# Altium PCB m-BLANC.PcbDoc (part 7 of 15) (continued)
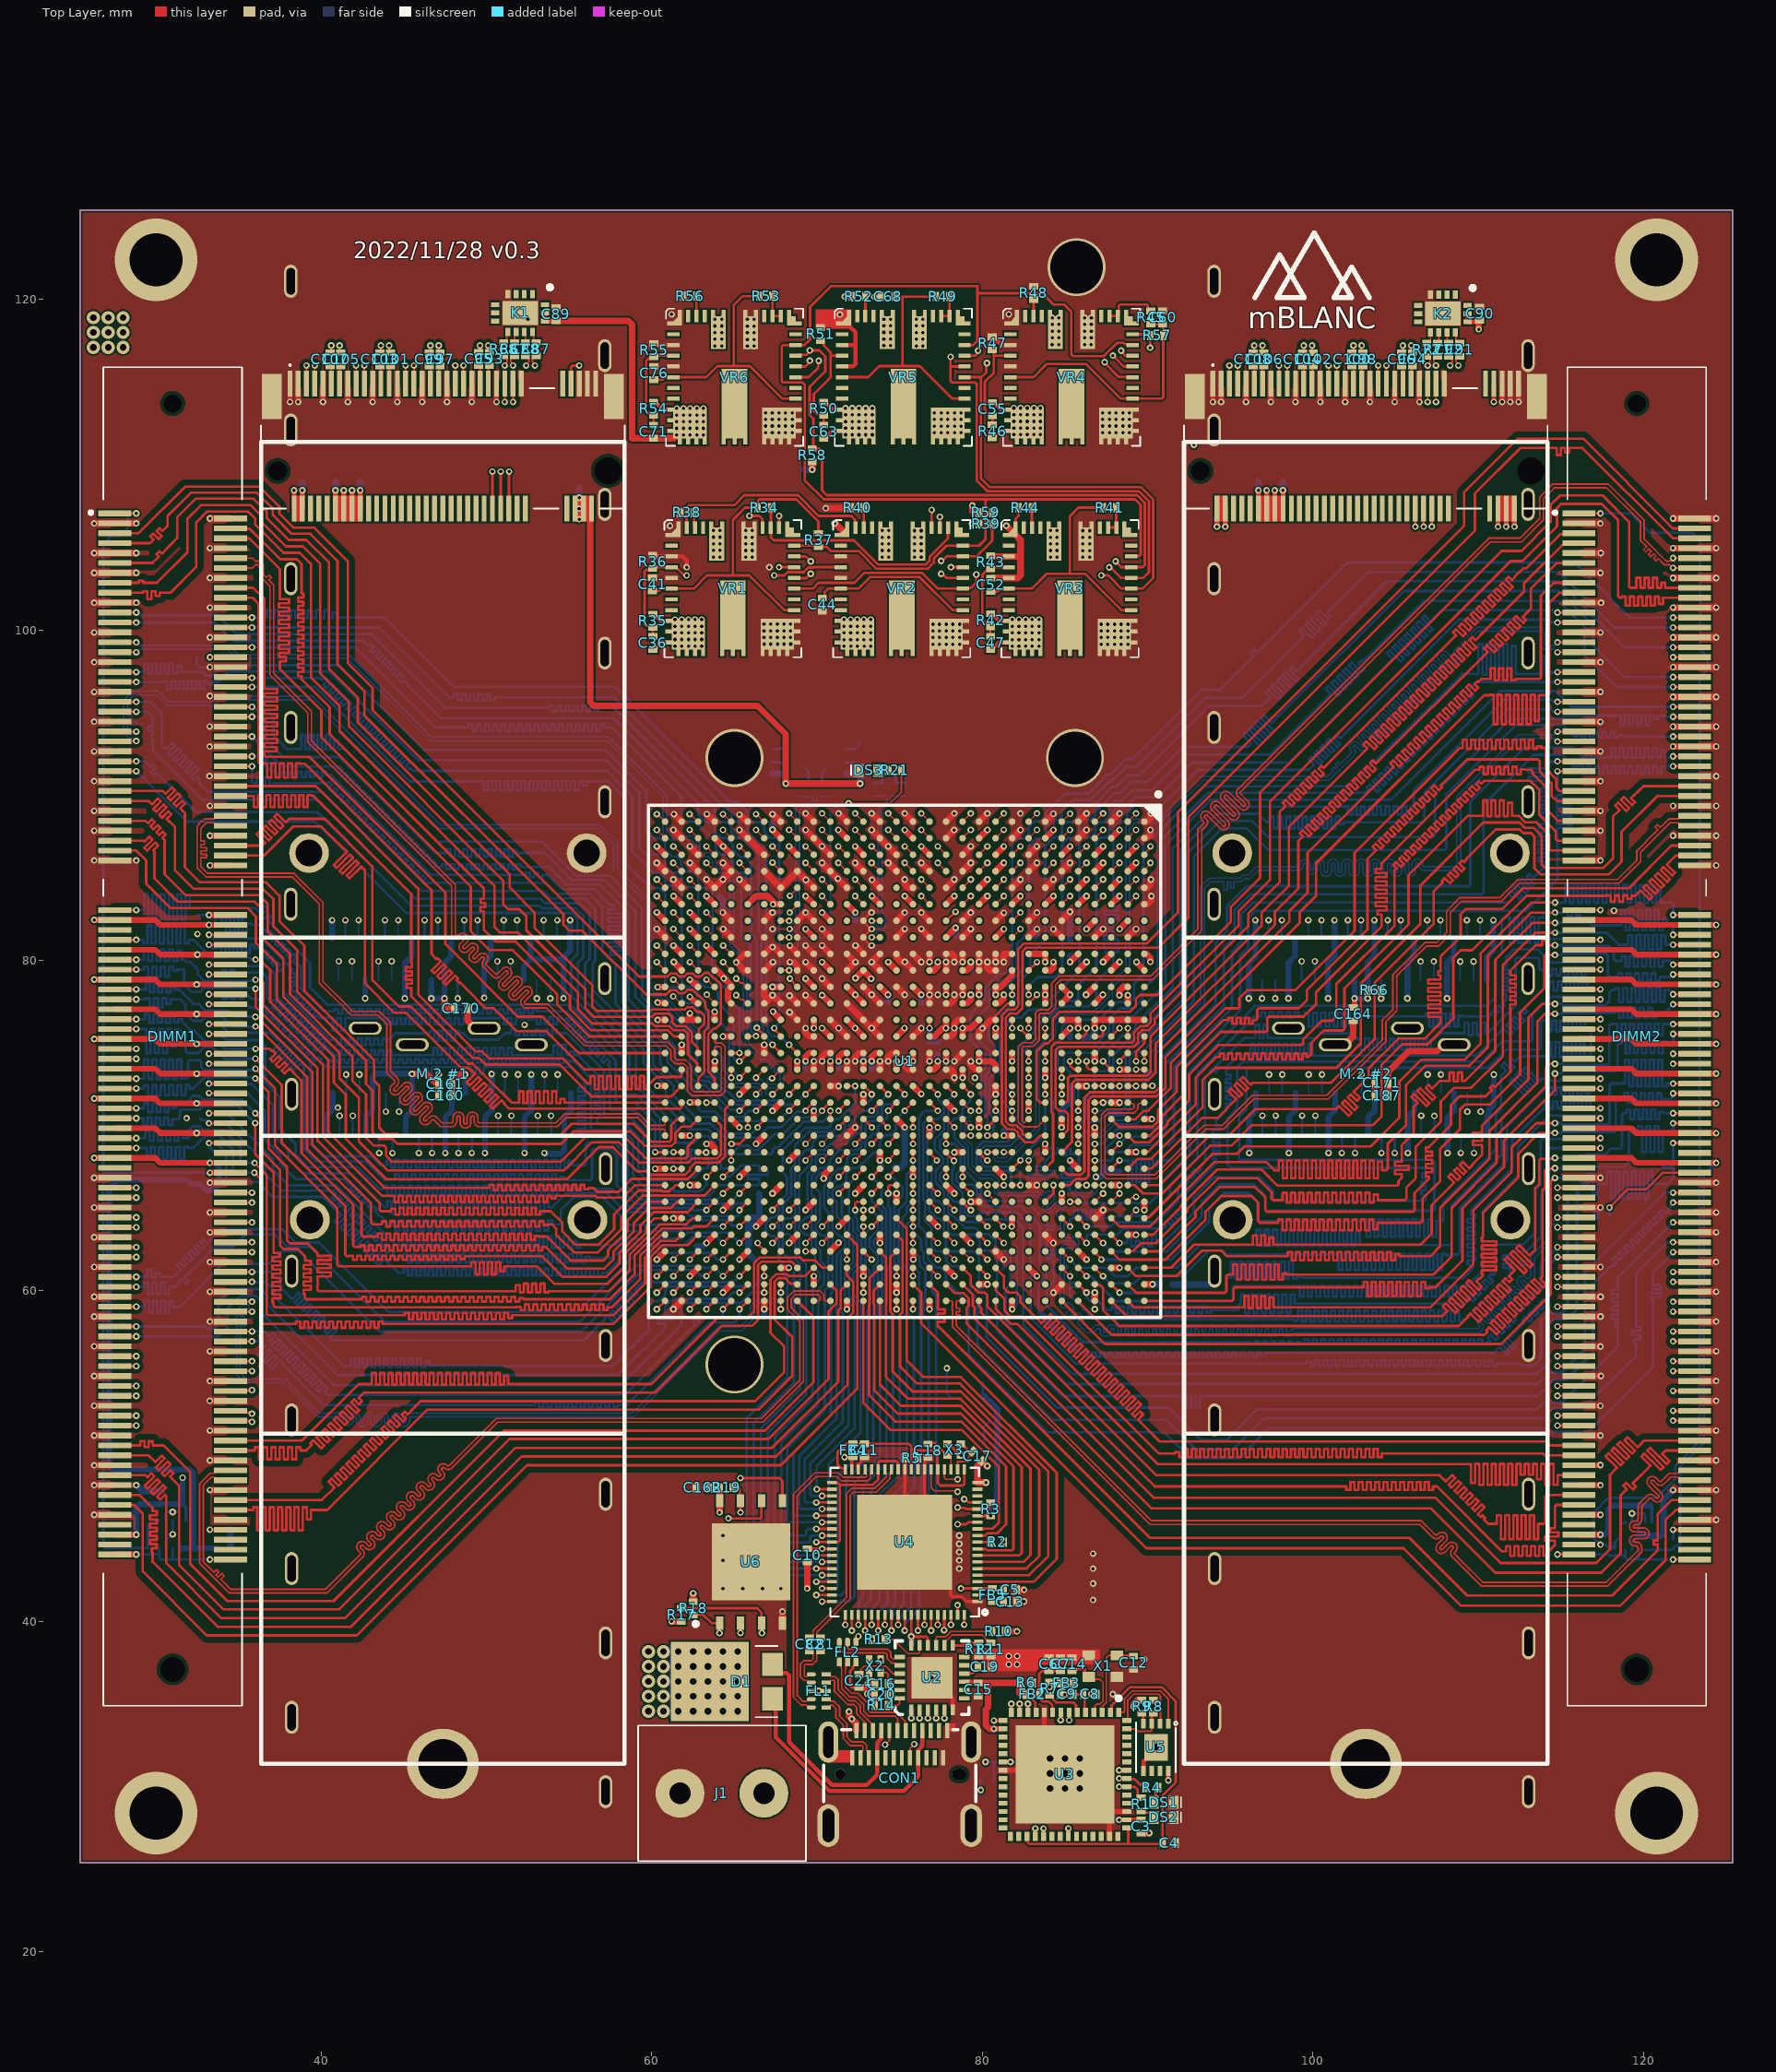
[diagram p0: Top Layer view]
## Nets (pads, with @x,y where several pads share a name; then routed paths per layer and width w, separated by ;. In a path a pad name is that pad's centre, name@x,y a point inside that pad or via, vN(x,y) a via of type N, cw(c..) or ccw(c..) an arc to the next point about the centre after c; other vN are vias at no path point) (continued)
  InLayer2 (Signal) w0.15: v1(80.3,63.9) 79.791,63.391 79.791,59.106 84.627,54.27 94.835,54.27 96.285,52.82 112.725,52.82 114.53,54.625 116.617,54.625 117.291,53.95 118.593,53.95 118.875,53.95 118.875,53.925 119.125,53.925 119.125,54.137 119.375,54.137 119.375,53.703 119.625,53.703 119.625,54.137 119.875,54.137 119.875,53.703 120.125,53.703 120.125,54.137 120.375,54.137 120.375,53.703 120.625,53.703 120.625,54.137 120.875,54.137 120.875,53.703 121.125,53.703 121.125,53.95 121.2,53.95 v1(121.8,53.95)
DRAM2_DM7: DIMM2.187 U1.K30 | length 63.5
  Top Layer w0.15: U1.K30@80.8,59.4 80.8,58.935 81.735,58 82.121,58 90.599,49.522 108.993,49.522 109.566,49.522 109.566,48.384 109.816,48.384 109.816,49.534 110.066,49.534 110.066,48.265 110.316,48.265 110.316,49.534 110.566,49.534 110.566,48.265 110.816,48.265 110.816,49.534 111.066,49.534 111.066,48.265 111.316,48.265 111.316,49.534 111.566,49.534 111.566,48.265 111.816,48.265 111.816,49.534 112.066,49.534 112.066,48.265 112.316,48.265 112.316,49.534 112.566,49.534 112.566,48.875 112.816,48.875 112.816,49.534 113.066,49.534 113.066,48.875 113.316,48.875 113.316,49.534 113.566,49.534 113.566,48.597 113.816,48.597 113.816,49.534 114.066,49.534 114.066,48.265 114.316,48.265 114.316,49.534 114.566,49.534 114.566,48.265 114.816,48.265 114.816,48.85 114.891,48.85 DIMM2.187@116.1,48.85
DRAM2_DQ0: DIMM2.5 U1.F20 | length 72.2
  Top Layer w0.15: U1.F20@84.8,69.4 84.83,69.4 85.175,69.745 85.175,70.725 85,70.9 84.634,70.9 84.425,71.109 84.425,74.555 84.645,74.775 89.174,74.775 89.425,75.026 89.425,75.555 89.645,75.775 90.059,75.775 90.425,76.141 90.425,76.425 96.1,82.1 96.1,82.838 97.984,84.721 97.984,88.984 98.3,89.3 98.353,89.353 98.17,89.536 98.347,89.713 98.724,89.336 98.901,89.512 98.524,89.89 98.7,90.066 99.078,89.689 99.254,89.866 98.877,90.243 99.054,90.42 99.431,90.043 99.608,90.219 99.231,90.597 99.407,90.773 99.785,90.396 99.961,90.573 99.584,90.95 99.761,91.127 100.138,90.75 100.315,90.927 99.938,91.304 100.115,91.481 100.492,91.103 100.669,91.28 100.346,91.602 100.523,91.779 100.651,91.651 101.101,92.101 108.617,99.617 108.67,99.67 108.48,99.86 108.656,100.037 109.086,99.608 109.263,99.784 108.833,100.214 109.01,100.391 109.439,99.961 109.616,100.138 109.187,100.567 109.363,100.744 109.793,100.315 109.97,100.491 109.54,100.921 109.717,101.098 110.146,100.668 110.323,100.845 109.894,101.274 110.071,101.451 110.5,101.022 110.677,101.199 110.247,101.628 110.424,101.805 110.854,101.375 111.03,101.552 110.601,101.982 110.778,102.158 111.207,101.729 111.384,101.906 110.954,102.335 111.131,102.512 111.561,102.082 111.737,102.259 111.308,102.689 111.485,102.865 111.914,102.436 112.091,102.613 111.662,103.042 111.838,103.219 112.047,103.011 112.223,103.187 112.205,103.205 112.523,103.523 112.73,103.73 112.9,103.73 114.964,105.793 116.043,105.793 DIMM2.5@116.1,105.85
DRAM2_DQ1: DIMM2.7 U1.F18 | length 75.1
  Top Layer w0.15: U1.F18@84.8,71.4 84.822,71.422 85.079,71.422 85.175,71.519 85.175,72.875 85.323,73.023 85.539,73.023 85.541,73.025 85.955,73.025 86.645,73.025 86.955,73.025 87.645,73.025 89.664,73.025 89.955,73.025 90.179,73.248 90.179,75.389 92.19,77.4 92.2,77.4 96.895,82.095 96.895,82.874 98.55,84.529 98.55,88.089 103.243,92.782 103.296,92.835 103.058,93.073 103.235,93.25 103.713,92.772 103.89,92.949 103.412,93.427 103.589,93.603 104.066,93.126 104.243,93.302 103.765,93.78 103.942,93.957 104.42,93.479 104.597,93.656 104.119,94.134 104.296,94.31 104.773,93.833 104.95,94.01 104.473,94.487 104.649,94.664 105.127,94.186 105.304,94.363 104.826,94.841 105.003,95.018 105.481,94.54 105.657,94.717 105.18,95.194 105.356,95.371 105.834,94.893 106.011,95.07 105.533,95.548 105.71,95.725 106.188,95.247 106.364,95.424 105.887,95.901 106.064,96.078 106.541,95.601 106.718,95.777 106.24,96.255 106.417,96.432 106.895,95.954 107.072,96.131 106.594,96.609 106.771,96.785 107.248,96.308 107.425,96.484 106.947,96.962 107.124,97.139 107.602,96.661 107.779,96.838 107.301,97.316 107.478,97.492 107.955,97.015 108.132,97.191 107.655,97.669 107.831,97.846 108.309,97.368 108.486,97.545 108.008,98.023 108.185,98.2 108.663,97.722 108.839,97.899 108.362,98.376 108.538,98.553 109.016,98.075 109.193,98.252 108.715,98.73 108.892,98.907 109.37,98.429 109.546,98.606 109.069,99.083 109.246,99.26 109.723,98.782 109.9,98.959 109.46,99.399 109.637,99.576 109.837,99.376 110.427,99.966 112.777,102.316 112.777,102.825 115.101,105.15 116,105.15 DIMM2.7@116.1,105.25
DRAM2_DQ2: DIMM2.15 U1.F22 | length 74.2
  Top Layer w0.15: U1.F22@84.8,67.4 85.175,67.025 85.955,67.025 86.175,67.245 86.175,67.641 86.175,68.159 86.175,68.641 86.175,69.159 86.175,69.555 86.175,69.745 86.175,70.055 86.175,70.245 86.175,70.555 86.175,70.745 86.175,71.055 86.175,71.245 86.175,71.555 86.175,71.699 86.5,72.025 86.645,72.025 86.955,72.025 89.645,72.025 90.432,72.025 90.805,72.398 90.805,74.594 98.577,82.366 98.577,83.004 99.682,84.108 99.682,86.515 104.836,91.668 104.889,91.721 104.679,91.93 104.856,92.107 105.231,91.732 105.408,91.909 105.033,92.284 105.21,92.461 105.584,92.086 105.761,92.263 105.386,92.638 105.563,92.814 105.938,92.44 106.115,92.616 105.74,92.991 105.917,93.168 106.291,92.793 106.468,92.97 106.093,93.345 106.27,93.521 106.645,93.147 106.822,93.323 106.447,93.698 106.624,93.875 106.998,93.5 107.175,93.677 106.801,94.052 106.977,94.228 107.352,93.854 107.529,94.031 107.154,94.405 107.331,94.582 107.706,94.207 107.882,94.384 107.508,94.759 107.684,94.936 108.059,94.561 108.236,94.738 107.861,95.112 108.038,95.289 108.413,94.914 108.589,95.091 108.215,95.466 108.392,95.643 108.766,95.268 108.943,95.445 108.568,95.819 108.745,95.996 109.12,95.622 109.297,95.798 108.922,96.173 109.099,96.35 109.473,95.975 109.65,96.152 109.275,96.527 109.452,96.703 109.827,96.329 110.004,96.505 109.787,96.722 109.964,96.899 110.015,96.848 110.196,97.028 110.509,97.028 110.684,97.028 110.759,97.028 110.759,97.675 111.009,97.675 111.009,96.958 111.259,96.958 111.259,97.675 111.509,97.675 111.509,96.958 111.759,96.958 111.759,97.675 112.009,97.675 112.009,96.958 112.259,96.958 112.259,97.035 112.509,97.035 112.509,97.028 112.813,97.028 113.708,97.028 113.796,97.116 113.796,102.075 114.571,102.85 DIMM2.15@116.1,102.85
DRAM2_DQ3: DIMM2.17 U1.F23 | length 75.6
  Top Layer w0.15: U1.F23@84.8,66.4 85.27,66.4 85.645,66.775 86.254,66.775 86.425,66.946 86.425,68.055 86.425,68.745 86.425,69.055 86.425,69.729 86.425,70.141 86.425,70.745 86.425,71.055 86.425,71.555 86.645,71.775 90.535,71.775 91.072,72.312 91.072,74.15 99.2,82.278 99.2,82.918 100.194,83.912 100.194,85.877 110.362,96.045 110.603,96.045 110.678,96.045 110.678,96.072 110.928,96.072 110.928,94.292 111.178,94.292 111.178,96.072 111.428,96.072 111.428,94.292 111.678,94.292 111.678,96.072 111.928,96.072 111.928,94.292 112.178,94.292 112.178,96.072 112.428,96.072 112.428,94.292 112.678,94.292 112.678,96.072 112.928,96.072 112.928,94.292 113.178,94.292 113.178,96.072 113.428,96.072 113.428,94.489 113.678,94.489 113.678,96.045 114.08,96.045 114.219,96.045 114.307,96.133 114.307,101.634 114.923,102.25 DIMM2.17@116.1,102.25
DRAM2_DQ4: DIMM2.4 U1.G20 | length 75.3
  Top Layer w0.15: U1.G20@83.8,69.4 83.495,69.399 83.096,69 82.571,69 82.175,69.396 82.175,69.555 81.955,69.775 81.536,69.775 81.175,70.136 81.175,70.641 81.175,76.627 81.175,76.659 81.541,77.025 81.955,77.025 82.175,77.245 82.175,77.555 82.175,78.659 82.175,79.555 82.175,80.687 82.513,81.025 89.955,81.025 91.835,82.905 91.835,88.986 109.145,106.296 109.145,108.319 112.4,111.574 116.362,111.574 121.786,106.15 DIMM2.4@123.1,106.15
DRAM2_DQ5: DIMM2.6 U1.H20 | length 74.6
  Top Layer w0.15: U1.H20@82.8,69.4 82.774,69.426 82.524,69.426 82.425,69.525 82.425,69.659 82.059,70.025 81.645,70.025 81.425,70.245 81.425,70.745 81.425,76.555 81.645,76.775 82.066,76.775 82.425,77.134 82.425,77.659 82.425,78.555 82.425,79.659 82.425,80.555 82.645,80.775 90.656,80.775 92.464,82.583 92.464,88.661 109.807,106.004 109.807,108.261 112.554,111.007 114.43,111.007 114.505,111.007 114.505,111.01 114.755,111.01 114.755,110.579 115.005,110.579 115.005,111.01 115.255,111.01 115.255,110.739 115.505,110.739 115.505,111.007 116.006,111.007 116.307,111.007 121.764,105.55 DIMM2.6@123.1,105.55
DRAM2_DQ6: DIMM2.16 U1.G18 | length 71.3
  Top Layer w0.15: U1.G18@83.8,71.4 83.487,71.4 83.3,71.587 83.3,71.6 83.281,71.619 83.281,74.494 83.765,74.978 83.975,74.978 84.266,75.268 84.266,76.5 84.66,76.894 88.933,76.894 89.279,77.24 89.279,77.655 89.539,77.915 90.615,77.915 95.039,82.339 95.039,83.237 96.8,84.998 96.8,90.165 111.416,104.78 112.617,104.78 114.389,106.553 114.389,107.575 114.955,108.141 117.53,108.141 119.135,106.536 119.135,102.638 119.223,102.55 119.498,102.55 119.573,102.55 119.573,103.16 119.823,103.16 119.823,102.546 120.073,102.546 120.073,103.16 120.323,103.16 120.323,102.546 120.573,102.546 120.573,103.16 120.823,103.16 120.823,102.546 121.073,102.546 121.073,102.855 121.323,102.855 121.323,102.55 121.502,102.55 DIMM2.16@123.1,102.55
DRAM2_DQ7: DIMM2.18 U1.G22 | length 75
  Top Layer w0.15: U1.G22@83.8,67.4 84.282,67.882 84.282,70.708 84.175,70.815 84.175,74.786 84.414,75.025 89.07,75.025 89.175,75.13 89.175,75.659 89.541,76.025 89.955,76.025 90.175,76.245 90.175,76.775 95.5,82.1 95.5,82.967 97.4,84.867 97.4,89.6 111.968,104.168 112.683,104.168 114.771,106.257 114.771,107.38 115.018,107.626 117.484,107.626 118.477,106.634 118.477,102.038 118.565,101.95 118.609,101.95 118.684,101.95 118.684,102.019 118.934,102.019 118.934,101.475 119.184,101.475 119.184,102.019 119.434,102.019 119.434,101.475 119.684,101.475 119.684,102.019 119.934,102.019 119.934,101.475 120.184,101.475 120.184,102.019 120.434,102.019 120.434,101.475 120.684,101.475 120.684,102.019 120.934,102.019 120.934,101.575 121.184,101.575 121.184,101.95 121.602,101.95 DIMM2.18@123.1,101.95
DRAM2_DQ8: DIMM2.21 U1.K23 | length 76.2
  Top Layer w0.15: U1.K23@80.8,66.4 v1(81.3,66.4) ; v1(114.8,101.05) DIMM2.21@116.1,101.05
  Bottom Layer w0.15: v1(81.3,66.4) 81.644,66.4 81.731,66.488 81.731,67.065 81.522,67.275 81.144,67.275 81.143,67.273 80.043,67.273 79.65,67.666 79.65,68.65 80.025,69.025 81.503,69.025 81.81,69.332 81.81,70.212 82.175,70.577 82.175,74.706 83.175,75.706 83.175,76.34 83.405,76.57 83.586,76.57 84.563,77.547 85.649,77.547 85.81,77.708 85.81,78.51 86.9,79.6 86.9,87.185 87.152,87.437 87.47,87.437 87.675,87.642 87.675,88.274 87.925,88.524 87.925,89.055 88.145,89.275 88.622,89.275 89.216,89.869 90.6,89.869 92.699,91.969 98.565,91.969 104.776,98.18 104.829,98.233 104.477,98.586 104.653,98.763 105.322,98.094 105.498,98.271 104.83,98.939 105.007,99.116 105.675,98.448 105.852,98.625 105.184,99.293 105.36,99.47 106.029,98.801 106.205,98.978 105.537,99.646 105.714,99.823 106.382,99.155 106.559,99.332 105.891,100 106.067,100.177 106.736,99.508 106.913,99.685 106.244,100.354 106.421,100.53 107.089,99.862 107.266,100.039 106.598,100.707 106.775,100.884 107.167,100.492 107.344,100.668 107.304,100.708 107.748,101.152 107.786,101.19 114.527,101.19 114.62,101.098 114.752,101.098 v1(114.8,101.05)
DRAM2_DQ9: DIMM2.23 U1.J23 | length 77.2
  Top Layer w0.15: U1.J23@81.8,66.4 v1(82.3,66.4) ; v1(114.8,100.45) DIMM2.23@116.1,100.45
  Bottom Layer w0.15: v1(82.3,66.4) 82.3,67.106 81.881,67.525 81.041,67.525 81.039,67.523 80.146,67.523 79.9,67.77 79.9,68.53 80.145,68.775 81.673,68.775 82.425,69.527 82.425,74.384 83.425,75.384 83.425,76.099 83.601,76.275 83.761,76.275 84.714,77.228 86.428,77.228 86.9,77.7 86.9,78.701 87.925,79.726 87.925,80.184 87.925,80.26 87.478,80.26 87.478,80.51 88.214,80.51 88.214,80.76 87.366,80.76 87.366,81.01 88.214,81.01 88.214,81.26 87.366,81.26 87.366,81.51 87.925,81.51 87.925,81.76 87.675,81.76 87.675,82.01 87.925,82.01 87.925,82.26 87.471,82.26 87.471,82.51 88.214,82.51 88.214,82.76 87.366,82.76 87.366,83.01 88.214,83.01 88.214,83.26 87.925,83.26 87.925,83.507 87.925,88.055 88.27,88.4 88.551,88.4 88.754,88.603 88.754,88.918 89.237,89.4 90.9,89.4 93.026,91.526 99.746,91.526 100.01,91.79 100.063,91.843 99.734,92.172 99.911,92.349 100.409,91.851 100.586,92.028 100.087,92.526 100.264,92.703 100.762,92.204 100.939,92.381 100.441,92.879 100.618,93.056 101.116,92.558 101.293,92.735 100.794,93.233 100.971,93.41 101.469,92.912 101.646,93.088 101.305,93.429 101.482,93.606 101.654,93.434 102.05,93.83 108.838,100.619 114.277,100.619 114.446,100.45 v1(114.8,100.45)
DRAM2_DQ10: DIMM2.33 U1.J22 | length 75.5
  Top Layer w0.15: U1.J22@81.8,67.4 v1(82.3,67.9) ; v1(114.8,97.45) DIMM2.33@116.1,97.45
  Bottom Layer w0.15: v1(82.3,67.9) 82.3,67.968 82.391,68.059 82.391,68.11 83.8,69.518 83.8,71.37 84.175,71.745 84.175,74.672 84.814,75.312 84.814,75.954 85.261,76.4 87.067,76.4 88.139,77.472 88.903,77.472 89.175,77.745 89.175,78.576 89.743,79.144 89.743,87.17 89.984,87.411 90.311,87.411 93.442,90.542 102.25,90.542 109.049,97.341 109.944,97.341 110.019,97.341 110.019,99.15 110.269,99.15 110.269,97.294 110.519,97.294 110.519,99.15 110.769,99.15 110.769,97.294 111.019,97.294 111.019,99.15 111.269,99.15 111.269,97.294 111.519,97.294 111.519,99.15 111.769,99.15 111.769,97.294 112.019,97.294 112.019,99.034 112.269,99.034 112.269,97.341 112.619,97.341 113.747,97.341 113.822,97.341 113.822,98.4 114.072,98.4 114.072,97.341 114.295,97.341 114.374,97.341 114.483,97.45 v1(114.8,97.45)
DRAM2_DQ11: DIMM2.35 U1.H22 | length 76.3
  Top Layer w0.15: U1.H22@82.8,67.4 v1(82.8,67.9) ; v1(114.8,96.85) DIMM2.35@116.1,96.85
  Bottom Layer w0.15: v1(82.8,67.9) 83.215,68.315 83.759,68.315 84.272,68.827 84.272,71.472 84.425,71.625 84.425,73.247 84.566,73.388 84.566,74.478 84.893,74.806 86.727,74.806 87.447,75.525 87.455,75.525 87.675,75.745 87.675,76.464 88.315,77.104 89.123,77.104 89.672,77.653 89.672,78.197 90.6,79.124 90.6,87.094 93.651,90.145 103.176,90.145 103.337,90.306 103.39,90.359 103.272,90.476 103.449,90.653 103.906,90.196 104.083,90.373 103.626,90.83 103.803,91.007 104.259,90.55 104.436,90.727 103.979,91.184 104.156,91.36 104.613,90.904 104.79,91.08 104.333,91.537 104.51,91.714 104.966,91.257 105.143,91.434 104.686,91.891 104.863,92.067 105.32,91.611 105.497,91.787 105.04,92.244 105.217,92.421 105.674,91.964 105.85,92.141 105.394,92.598 105.57,92.775 106.027,92.318 106.204,92.495 105.747,92.951 105.924,93.128 106.381,92.671 106.557,92.848 106.101,93.305 106.277,93.482 106.734,93.025 106.911,93.202 106.454,93.658 106.631,93.835 107.088,93.378 107.265,93.555 106.808,94.012 106.985,94.189 107.441,93.732 107.618,93.909 107.161,94.366 107.338,94.542 107.795,94.086 107.972,94.262 107.515,94.719 107.692,94.896 108.148,94.439 108.325,94.616 107.868,95.073 108.045,95.249 108.502,94.793 108.679,94.969 108.222,95.426 108.399,95.603 108.856,95.146 109.032,95.323 108.576,95.78 108.752,95.957 109.209,95.5 109.386,95.676 108.929,96.133 109.106,96.31 109.558,95.858 109.735,96.034 109.4,96.369 109.881,96.85 109.978,96.85 v1(114.8,96.85)
DRAM2_DQ12: DIMM2.22 U1.L18 | length 69.1
  Top Layer w0.15: v1@79.8,70.931 U1.L18@79.8,71.4 ; v1(121.8,100.75) DIMM2.22@123.1,100.75
  Bottom Layer w0.15: v1(79.8,70.9) 79.8,71.251 79.925,71.376 79.925,73.161 79.928,73.164 79.928,73.214 80.182,73.468 80.182,74.258 79.279,75.161 79.279,76.743 80.175,77.639 80.175,78.355 81.02,79.2 81.385,79.2 81.8,79.615 81.8,87.032 82.143,87.375 82.533,87.375 82.815,87.657 82.815,88.108 83.119,88.413 83.534,88.413 83.8,88.678 83.8,88.907 84.976,90.083 86.386,90.083 87.566,91.263 87.763,91.263 88.686,92.186 88.686,92.2 89.1,92.2 93.283,96.383 94.383,96.383 96.4,98.4 96.453,98.453 96.251,98.655 96.428,98.832 96.63,98.63 96.933,98.933 102.082,104.082 115.818,104.082 119.15,100.75 v1(121.8,100.75)
DRAM2_DQ13: DIMM2.24 U1.K19 | length 75.4
  Top Layer w0.15: v1(80.3,69.9) U1.K19@80.8,70.4 ; v1(121.8,100.15) DIMM2.24@123.1,100.15
  Bottom Layer w0.15: v1(80.3,69.9) 80.3,70.487 80.175,70.612 80.175,73.057 80.477,73.36 80.477,74.476 79.597,75.356 79.597,76.43 80.425,77.258 80.425,78.151 81.03,78.756 81.327,78.756 82.1,79.53 82.1,81.015 82.8,81.715 82.8,86.936 83.232,87.368 83.617,87.368 83.85,87.601 83.85,88.05 84.302,88.502 84.54,88.502 84.8,88.762 84.8,89.053 85.45,89.704 86.54,89.704 87.737,90.9 87.875,90.9 88.675,91.7 89.3,91.7 93.494,95.894 95.709,95.894 99.406,99.59 99.459,99.643 99.147,99.955 99.324,100.132 99.935,99.521 100.112,99.697 99.501,100.308 99.678,100.485 100.289,99.874 100.466,100.051 99.855,100.662 100.031,100.839 100.642,100.228 100.819,100.405 100.208,101.016 100.385,101.192 100.896,100.681 101.073,100.858 100.873,101.058 101.239,101.423 103.318,103.503 114.897,103.503 118.25,100.15 v1(121.8,100.15)
DRAM2_DQ14: DIMM2.34 U1.J19 | length 75.4
  Top Layer w0.15: U1.J19@81.8,70.4 v1(81.8,70.9) ; v1(121.8,97.15) DIMM2.34@123.1,97.15
  Bottom Layer w0.15: v1(81.8,70.9) 81.175,71.525 81.175,73.047 81.064,73.157 81.064,75.634 81.175,75.745 81.175,76.1 81.175,76.32 82.425,77.57 82.425,78.078 83.347,79 84.437,79 84.83,79.393 84.83,87.067 85.155,87.392 85.492,87.392 85.868,87.768 85.868,88.223 86.145,88.5 86.552,88.5 86.833,88.781 86.833,88.963 87.985,90.115 88.315,90.115 88.998,90.798 89.998,90.798 90.8,91.6 92.117,92.917 96.07,92.917 96.227,93.074 96.28,93.127 95.775,93.632 95.951,93.809 96.778,92.983 96.954,93.16 96.128,93.986 96.305,94.163 97.131,93.336 97.308,93.513 96.482,94.339 96.658,94.516 97.485,93.69 97.661,93.867 96.843,94.685 97.02,94.862 97.517,94.364 97.959,94.806 105.503,102.35 114.884,102.35 116.969,100.265 116.969,99.031 118.85,97.15 v1(121.8,97.15)
DRAM2_DQ15: DIMM2.36 U1.J18 | length 74
  Top Layer w0.15: U1.J18@81.8,71.4 v1(81.8,71.9) ; v1(121.8,96.55) DIMM2.36@123.1,96.55
  Bottom Layer w0.15: v1(81.8,71.9) 81.425,72.275 81.425,75.641 81.425,75.745 81.425,76.055 81.917,76.548 82.34,76.548 82.813,77.021 83.492,77.021 85.865,79.394 85.865,87.2 86.117,87.452 86.555,87.452 86.824,87.72 86.824,88.158 87.032,88.367 87.297,88.367 87.675,88.745 87.675,89.317 88.034,89.676 88.428,89.676 89.052,90.3 90.236,90.3 92.392,92.456 97.383,92.456 101.007,96.08 101.06,96.133 100.754,96.44 100.931,96.617 101.524,96.023 101.701,96.2 101.107,96.793 101.284,96.97 101.878,96.376 102.055,96.553 101.461,97.147 101.638,97.324 102.231,96.73 102.408,96.907 101.814,97.501 101.991,97.677 102.585,97.084 102.762,97.26 102.168,97.854 102.345,98.031 102.939,97.437 103.115,97.614 102.76,97.969 102.937,98.146 103.005,98.078 103.212,98.284 106.671,101.744 114.874,101.744 116.45,100.168 116.45,98.45 118.35,96.55 v1(121.8,96.55)
DRAM2_DQ16: DIMM2.39 U1.E19 | length 57.6
  Top Layer w0.15: v1@85.796,69.9 U1.E19@85.796,70.396 ; v1(114.8,95.65) DIMM2.39@116.1,95.65
  Bottom Layer w0.15: v1@85.833,70.005 86.282,70.453 86.282,71.687 86.37,71.775 86.682,71.775 86.77,71.863 86.77,73.198 86.858,73.286 87.587,73.286 87.675,73.374 87.675,74.687 88.452,75.464 88.92,75.464 89.262,75.807 89.262,76.118 91.523,78.379 91.523,86.786 94.043,89.305 101.808,89.306 101.883,89.306 101.883,89.317 102.133,89.317 102.133,88.802 102.383,88.802 102.383,89.317 102.633,89.317 102.633,88.802 102.883,88.802 102.883,89.317 103.133,89.317 103.133,88.802 103.383,88.802 103.383,89.317 103.633,89.317 103.633,88.802 103.883,88.802 103.883,89.317 104.133,89.317 104.133,88.802 104.383,88.802 104.383,89.317 104.633,89.317 104.633,88.802 104.883,88.802 104.883,89.317 105.133,89.317 105.133,88.802 105.383,88.802 105.383,89.317 105.633,89.317 105.633,88.817 105.883,88.817 105.883,89.308 105.939,89.308 106.014,89.308 106.1,89.393 106.1,90.3 111.574,95.774 114.448,95.774 114.536,95.687 114.763,95.687 v1(114.8,95.65)
  other v1: 85.8,69.9
DRAM2_DQ17: DIMM2.41 U1.D18 | length 59.7
  Top Layer w0.15: U1.D18@86.8,71.4 v1(87.3,71.4) ; v1(114.8,95.05) DIMM2.41@116.1,95.05
  Bottom Layer w0.15: v1(87.3,71.4) 87.348,71.448 87.513,71.448 87.925,71.859 87.925,74.254 88.835,75.164 89.156,75.164 89.656,75.665 89.656,75.847 91.961,78.152 91.961,86.655 94.179,88.872 96.693,88.872 97.214,88.352 97.3,88.352 97.375,88.352 97.375,88.708 97.625,88.708 97.625,87.983 97.875,87.983 97.875,88.708 98.125,88.708 98.125,87.983 98.375,87.983 98.375,88.708 98.625,88.708 98.625,87.983 98.875,87.983 98.875,88.708 99.125,88.708 99.125,87.983 99.375,87.983 99.375,88.708 99.625,88.708 99.625,87.983 99.875,87.983 99.875,88.708 100.125,88.708 100.125,87.983 100.375,87.983 100.375,88.708 100.625,88.708 100.625,87.983 100.875,87.983 100.875,88.708 101.125,88.708 101.125,87.983 101.375,87.983 101.375,88.708 101.625,88.708 101.625,88.238 101.875,88.238 101.875,88.352 102.195,88.352 106.665,88.352 106.753,88.44 106.753,90.153 111.804,95.204 114.384,95.204 114.518,95.069 114.781,95.069 v1(114.8,95.05)
DRAM2_DQ18: DIMM2.51 U1.D22 | length 65.1
  Top Layer w0.15: U1.D22@86.8,67.4 v1(86.8,67.9) ; v1@114.729,92.051 DIMM2.51@116.099,92.051
  Bottom Layer w0.15: v1(86.8,67.9) 87.796,67.9 87.884,67.988 87.884,68.318 87.972,68.406 88.606,68.406 89.035,68.835 91.279,68.835 91.586,69.141 91.586,73.594 95.098,77.106 95.098,80.545 95.657,81.105 95.657,82.784 96.383,83.509 111.858,83.509 112.056,83.707 112.109,83.76 111.811,84.059 111.988,84.235 112.509,83.715 112.685,83.891 112.165,84.412 112.341,84.589 112.862,84.068 113.039,84.245 112.518,84.766 112.695,84.943 113.216,84.422 113.392,84.599 112.919,85.072 113.096,85.249 113.347,84.998 113.824,85.476 114.076,85.728 114.076,85.921 114.076,85.996 113.639,85.996 113.639,86.246 114.084,86.246 114.084,86.496 113.639,86.496 113.639,86.746 114.084,86.746 114.084,86.996 113.639,86.996 113.639,87.246 114.084,87.246 114.084,87.496 113.639,87.496 113.639,87.746 114.084,87.746 114.084,87.996 113.639,87.996 113.639,88.246 114.076,88.246 114.076,88.421 114.076,88.603 114.076,88.678 113.808,88.678 113.808,88.928 114.099,88.928 114.099,89.178 113.808,89.178 113.808,89.428 114.099,89.428 114.099,89.678 113.808,89.678 113.808,89.928 114.099,89.928 114.099,90.178 113.808,90.178 113.808,90.428 114.076,90.428 114.076,90.73 114.076,90.801 114.076,90.876 113.071,90.876 113.071,91.126 114.079,91.126 114.079,91.376 113.071,91.376 113.071,91.626 114.076,91.626 114.076,91.742 114.134,91.8 114.368,92.033 114.782,92.033 v1(114.8,92.051)
DRAM2_DQ19: DIMM2.53 U1.C22 | length 64.2
  Top Layer w0.15: U1.C22@87.8,67.4 v1(88.3,67.9) ; v1(114.8,91.45) DIMM2.53@116.1,91.45
  Bottom Layer w0.15: v1(88.3,67.9) 88.505,67.9 88.83,67.9 88.83,66.566 89.08,66.566 89.08,67.936 89.33,67.936 89.33,66.566 89.58,66.566 89.58,67.936 89.83,67.936 89.83,66.566 90.08,66.566 90.08,67.936 90.33,67.936 90.33,67.576 90.58,67.576 90.58,67.9 90.976,67.9 91.327,67.9 92.096,68.669 92.096,73.472 95.605,76.981 95.605,80.298 96.081,80.773 96.081,82.551 96.525,82.996 112.896,82.996 114.8,84.9 114.8,87.684 114.8,87.759 114.754,87.759 114.754,88.009 115.604,88.009 115.604,88.259 114.754,88.259 114.754,88.509 115.604,88.509 115.604,88.759 114.754,88.759 114.754,89.009 115.604,89.009 115.604,89.259 114.754,89.259 114.754,89.509 115.604,89.509 115.604,89.759 114.754,89.759 114.754,90.009 115.069,90.009 115.069,90.259 114.8,90.259 114.8,90.816 v1(114.8,91.45)
DRAM2_DQ20: DIMM2.40 U1.E18 | length 57.2
  Top Layer w0.15: v1(85.8,70.9) U1.E18@85.8,71.4 ; v1(121.8,95.35) DIMM2.40@123.1,95.35
  Bottom Layer w0.15: v1(85.8,70.9) 85.8,72.733 84.925,73.609 84.925,74.265 85.062,74.403 86.81,74.403 87.925,75.518 87.925,76.125 88.417,76.617 89.119,76.617 91.076,78.574 91.076,86.987 93.81,89.721 104.721,89.721 111.3,96.3 114.692,96.3 115.642,95.35 v1(121.8,95.35)
DRAM2_DQ21: DIMM2.42 U1.D19 | length 61
  Top Layer w0.15: U1.D19@86.8,70.4 v1(86.8,70.9) ; v1(121.8,94.75) DIMM2.42@123.1,94.75
  Bottom Layer w0.15: v1(86.8,70.9) 88.42,70.9 88.675,71.155 88.675,74.467 89.048,74.84 89.346,74.84 92.356,77.851 92.356,86.442 94.354,88.439 96.333,88.439 97.311,87.462 107.276,87.462 107.391,87.576 107.391,90.073 111.945,94.626 115.026,94.626 115.221,94.821 118.3,94.821 118.376,94.821 118.376,94.833 118.626,94.833 118.626,94.265 118.876,94.265 118.876,94.833 119.126,94.833 119.126,94.265 119.376,94.265 119.376,94.833 119.626,94.833 119.626,94.265 119.876,94.265 119.876,94.833 120.126,94.833 120.126,94.265 120.376,94.265 120.376,94.833 120.626,94.833 120.626,94.617 120.876,94.617 120.876,94.821 121.208,94.821 121.324,94.821 121.395,94.75 v1(121.8,94.75)
DRAM2_DQ22: DIMM2.50 U1.D21 | length 64.7
  Top Layer w0.15: U1.D21@86.8,68.4 v1(86.8,68.9) ; v1(121.8,92.35) DIMM2.50@123.1,92.35
  Bottom Layer w0.15: v1(86.8,68.9) 87.255,68.9 88.17,69.815 90.515,69.815 90.75,70.05 90.75,74.014 94.116,77.38 94.116,81.087 94.8,81.771 94.8,83.303 95.997,84.5 109.442,84.5 109.53,84.588 109.53,89.606 112.8,92.876 114.643,92.876 114.645,92.875 114.955,92.875 114.957,92.876 115.724,92.876 116.325,92.275 116.485,92.275 116.56,92.275 116.56,92.88 116.81,92.88 116.81,92.274 117.06,92.274 117.31,92.275 117.56,92.274 117.56,92.28 117.81,92.28 117.81,92.274 118.06,92.274 118.06,92.88 118.31,92.88 118.31,92.274 118.56,92.274 118.56,92.88 118.81,92.88 118.81,92.274 119.06,92.274 119.06,92.88 119.31,92.88 119.31,92.274 119.56,92.274 119.56,92.88 119.81,92.88 119.81,92.274 120.06,92.274 120.06,92.88 120.31,92.88 120.31,92.274 120.56,92.274 120.56,92.88 120.81,92.88 120.81,92.274 121.06,92.274 121.06,92.705 121.31,92.705 121.31,92.275 121.587,92.275 121.614,92.302 121.681,92.302 121.752,92.302 v1(121.8,92.35)
DRAM2_DQ23: DIMM2.52 U1.C21 | length 63.4
  Top Layer w0.15: U1.C21@87.8,68.4 v1(88.3,68.9) ; v1(121.8,91.75) DIMM2.52@123.1,91.75
  Bottom Layer w0.15: v1(88.3,68.9) 88.33,68.9 88.764,69.334 90.84,69.334 91.1,69.594 91.1,73.748 94.617,77.265 94.617,80.817 95.255,81.455 95.255,83.055 96.2,84 110.235,84 110.322,84.088 110.322,89.401 113.371,92.449 115.05,92.449 115.75,91.75 116.008,91.75 116.083,91.75 116.083,91.757 116.333,91.757 116.333,91.294 116.583,91.294 116.583,91.757 116.833,91.757 116.833,91.294 117.083,91.294 117.083,91.757 117.333,91.757 117.333,91.294 117.583,91.294 117.583,91.757 117.833,91.757 117.833,91.294 118.083,91.294 118.083,91.757 118.333,91.757 118.333,91.294 118.583,91.294 118.583,91.757 118.833,91.757 118.833,91.294 119.083,91.294 119.083,91.757 119.333,91.757 119.333,91.294 119.583,91.294 119.583,91.757 119.833,91.757 119.833,91.294 120.083,91.294 120.083,91.757 120.333,91.757 120.333,91.294 120.583,91.294 120.583,91.757 120.833,91.757 120.833,91.294 121.083,91.294 121.083,91.757 121.333,91.757 121.333,91.75 121.597,91.75 v1(121.8,91.75)
DRAM2_DQ24: DIMM2.57 U1.B19 | length 52.6
  Top Layer w0.15: U1.B19@88.8,70.4 89.27,70.4 89.77,70.9 90.014,70.9 91.4,72.286 91.4,73.779 94.722,77.101 95.462,77.101 95.549,77.189 95.549,77.715 96.034,78.199 98.933,78.199 102.521,81.787 102.521,86.493 108.88,92.852 109,92.852 109.075,92.852 109.075,93.358 109.325,93.358 109.325,92.812 109.575,92.812 109.575,93.358 109.825,93.358 109.825,92.812 110.075,92.812 110.075,93.358 110.325,93.358 110.325,92.812 110.575,92.812 110.575,93.358 110.825,93.358 110.825,92.812 111.075,92.812 111.075,93.358 111.325,93.358 111.325,92.812 111.575,92.812 111.575,93.358 111.825,93.358 111.825,92.812 112.075,92.812 112.075,93.358 112.325,93.358 112.325,92.812 112.575,92.812 112.575,93.358 112.825,93.358 112.825,92.812 113.075,92.812 113.075,93.358 113.325,93.358 113.325,92.812 113.575,92.812 113.575,92.969 113.825,92.969 113.825,92.852 114.012,92.852 114.021,92.843 114.1,92.764 114.1,91.6 114.749,90.951 114.749,90.451 114.95,90.25 DIMM2.57@116.1,90.25
DRAM2_DQ25: DIMM2.59 U1.C19 | length 55.6
  Top Layer w0.15: U1.C19@87.8,70.4 88.273,69.927 90.308,69.927 90.625,70.244 90.625,70.579 90.625,70.937 91.752,72.064 91.752,73.546 94.603,76.397 94.805,76.397 94.88,76.397 94.88,76.523 95.13,76.523 95.13,76.168 95.38,76.168 95.38,76.523 95.63,76.523 95.63,76.168 95.88,76.168 95.88,76.523 96.13,76.523 96.13,76.168 96.38,76.168 96.38,76.397 96.543,76.397 96.552,76.397 96.64,76.485 96.64,77.012 96.728,77.1 99.148,77.1 99.631,77.583 99.631,78.195 103.3,81.864 103.3,86.132 103.784,86.616 103.837,86.669 103.624,86.882 103.801,87.059 104.104,86.755 104.281,86.932 103.977,87.236 104.154,87.412 104.458,87.109 104.635,87.286 104.331,87.589 104.508,87.766 104.811,87.462 104.988,87.639 104.685,87.943 104.861,88.12 105.165,87.816 105.342,87.993 105.038,88.296 105.215,88.473 105.519,88.17 105.695,88.346 105.392,88.65 105.568,88.827 105.872,88.523 106.049,88.7 105.745,89.003 105.922,89.18 106.226,88.877 106.402,89.053 106.099,89.357 106.276,89.534 106.579,89.23 106.756,89.407 106.452,89.711 106.629,89.887 106.933,89.584 107.11,89.761 106.806,90.064 106.983,90.241 107.286,89.937 107.463,90.114 107.159,90.418 107.336,90.594 107.64,90.291 107.817,90.468 107.71,90.575 107.886,90.751 107.903,90.735 108.24,91.072 109.333,92.164 113.631,92.164 113.719,92.077 113.719,91.439 114.444,90.714 114.444,89.972 114.766,89.65 DIMM2.59@116.1,89.65